# Altium PCB PCB5.PcbDoc (continued)
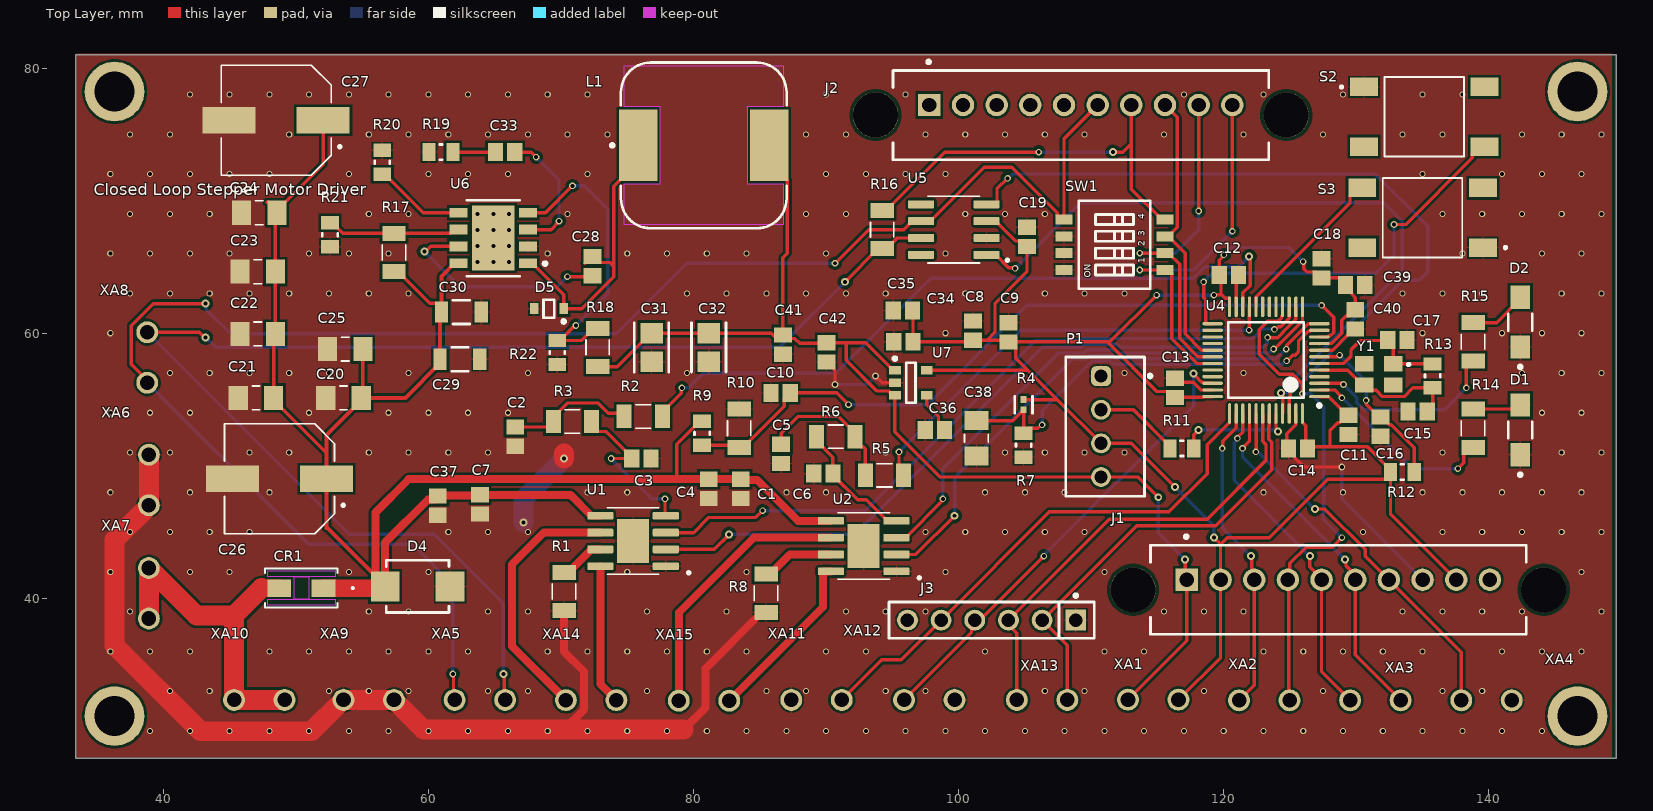
[diagram p0: Top Layer view]
## Part data (continued)
R18: "Fixed Resistor, Thin Film, 0.25W, 8000ohm, 200V, 0.1% +/-Tol, 25ppm/Cel, Surface Mount, 1206", Manufacturer="Vishay BCcomponents", Max Operating Temperature=125°C, Min Operating Temperature=-55°C, Package Shape=Rectangular, Rated Power Dissipation (P)=250mW, Rated Temperature=70°C, Resistance=8kR, Resistor Type="FIXED RESISTOR", Temperature Coefficient=25ppm/°C, Tolerance=0.1%, Working Voltage=200V, Category="Chip SMD Resistors", ComponentLink1Description=https://datasheet.ciiva.com:443/pdfs/VipMasterIC/IC/VISH/VISH-S-A0002473671/VISH-S-A0002473671-1.pdf?src-supplier=IHS+Markit, ComponentLink1URL=https://datasheet.ciiva.com:443/pdfs/VipMasterIC/IC/VISH/VISH-S-A0002473671/VISH-S-A0002473671-1.pdf?src-supplier=IHS+Markit, ComponentLink2Description=https://datasheet.ciiva.com/2606/mc-pre-2606068.pdf?src-supplier=Digikey, ComponentLink2URL=https://datasheet.ciiva.com/2606/mc-pre-2606068.pdf?src-supplier=Digikey, JESD-609 Code=e3, Manufacturer Part Number=MCA12060D8001BP500, Mount="Surface Mount", Number of Pins=2, Packaging="Tape and Reel", Pricing 1="5000=0.16835 (USD)", Reach SVHC Compliant=Yes, RoHS=Yes, RoHS Compliant=Yes, Size Code=1206, Supplier 1=Digikey, Technology="THIN FILM", Terminal Finish=Nickel, Termination=Wraparound
R19: "Fixed Resistor, Thin Film, 0.25W, 3000ohm, 200V, 0.1% +/-Tol, 25ppm/Cel, Surface Mount, 1206", Manufacturer="Vishay Dale", Max Operating Temperature=125°C, Min Operating Temperature=-55°C, Package Height=0.55mm, Package Length=3.2mm, Package Style=SMTMeter, Package Width=1.6mm, Rated Power Dissipation (P)=250mW, Rated Temperature=70°C, Resistance=3kR, Resistor Type="FIXED RESISTOR", Temperature Coefficient=25ppm/°C, Tolerance=0.1%, Working Voltage=200V, Category="Chip SMD Resistors", ComponentLink1Description=https://datasheet.ciiva.com:443/pdfs/VipMasterIC/IC/VISH/VISH-S-A0002290253/VISH-S-A0002290253-1.pdf?src-supplier=IHS+Markit, ComponentLink1URL=https://datasheet.ciiva.com:443/pdfs/VipMasterIC/IC/VISH/VISH-S-A0002290253/VISH-S-A0002290253-1.pdf?src-supplier=IHS+Markit, ComponentLink2Description=http://www.mouser.com/ds/2/427/tnpw_e3-64594.pdf?src-supplier=Mouser, ComponentLink2URL=http://www.mouser.com/ds/2/427/tnpw_e3-64594.pdf?src-supplier=Mouser, ComponentLink3Description=http://www.vishay.com/docs/28758/tnpw_e3.pdf?src-supplier=Avnet, ComponentLink3URL=http://www.vishay.com/docs/28758/tnpw_e3.pdf?src-supplier=Avnet, ComponentLink4Description=http://www.vishay.com/docs/28758/tnpw_e3.pdf?src-supplier=Digikey, ComponentLink4URL=http://www.vishay.com/docs/28758/tnpw_e3.pdf?src-supplier=Digikey, Construction=Chip, Manufacturer Part Number=TNPW12063K00BEEA, Mount="Surface Mount", Number of Pins=2, Packaging="Tape and Reel", Pricing 1="1=0.64, 10=0.458, 50=0.351, 100=0.311, 1000=0.202, 10000=0.186 (USD)", Reach SVHC Compliant=Yes, Reference Standard=AEC-Q200, RoHS=Yes, RoHS Compliant=Yes, Size Code=1206, Stock 1=8904, Supplier 1=Mouser, Technology="THIN FILM", Terminal Finish=Nickel, Termination=Wraparound
R20: library part CMP-1659-00011-4, "Chip Resistor, 47 KOhm, +/- 1%, 0.125 W, -55 to 155 degC, 0805 (2012 Metric), RoHS, Tape and Reel", Manufacturer=Yageo, Max Operating Temperature="155 degC", Min Operating Temperature="-55 degC", Package Quantity=200, Resistance="47 K", Voltage Rating="150 V", ComponentLink1Description="Manufacturer URL", ComponentLink1URL=http://www.yageo.com/, ComponentLink2Description=Datasheet, ComponentLink2URL=http://www.yageo.com/documents/recent/PYu-RC_Group_51_RoHS_L_04.pdf, DatasheetVersion="Rev. 4, 02/2016", Height="0.5 mm", Length="2 mm", Mount="Surface Mount", Mounting Technology="Surface Mount", PackageDescription="2-Pin Surface Mounted Device, Body 2 x 1.25 mm", PackageReference=0805, Packaging="Tape and Reel", Pins=2, REACH SVHC="No SVHC", RoHSCompliant=true
S2 S3: "6 x 6 mm, 4.3~9.5 mm Actuator Height, 100~260 gf, Surface Mount, SPST, Tactile Switch", Package=None, Availability="In Stock", Check_prices=https://www.snapeda.com/parts/TS04-66-55-BK-100-SMT/CUI+Devices/view-part/?ref=eda, CUI_purchase_URL=https://www.cuidevices.com/product/switches/tactile-switches/ts04-series?utm_source=snapeda.com&utm_medium=referral&utm_campaign=snapedaBOM, MF="CUI Devices", MP=TS04-66-55-BK-100-SMT, Price=None, Purchase-URL=https://pricing.snapeda.com/search/part/TS04-66-55-BK-100-SMT/?ref=eda, SnapEDA_Link=https://www.snapeda.com/parts/TS04-66-55-BK-100-SMT/CUI+Devices/view-part/?ref=snap
SW1: "Switch DIP ON OFF SPST 4 Recessed Slide 0.025A 24VDC Gull Wing 1000Cycles 1.27mm SMD T/R", Package=None, Availability="In Stock", Check_prices=https://www.snapeda.com/parts/DSHP04TSGER/GTE/view-part/?ref=eda, MF="KINGTEK INDUSTRIAL", MP=DSHP04TSGER, Price=None, SnapEDA_Link=https://www.snapeda.com/parts/DSHP04TSGER/GTE/view-part/?ref=snap
U1 U2: "PWM Chopper Type DC Brushed Motor Driver"
U4: library part CMP-0237-00250-3, "ARM Cortex-M3 32-bit MCU, 128 KB Flash, 20 KB Internal RAM, 37 I/Os, 48-pin LQFP, -40 to 85 degC, Tray", I/Os (High Current)=37, Operating Frequency(F) (Processor speed) (MHz)=72, Supply Voltage(Vcc) min (V)=2, A/D Converter="2x12-bit (10 Channel)", ComponentLink1Description="Manufacturer URL", ComponentLink1URL=http://www.st.com/web/en/home.html, ComponentLink2Description=Datasheet, ComponentLink2URL=http://www.st.com/st-web-ui/static/active/en/resource/technical/document/datasheet/CD00161566.pdf, ComponentLink3Description="Package Specification", ComponentLink3URL=http://www.st.com/st-web-ui/static/active/en/resource/technical/document/datasheet/DM00058181.pdf, Core="ARM Cortex-M3", DatasheetVersion="Rev. 16", FLASH Size (Prog) (kB)=128, Internal RAM Size (kB)=20, Mounting Technology="Surface Mount", PackageDescription="48-Pin Low Profile Quad Flat Package, 7 x 7 mm Body, 0.5 mm Pitch", PackageReference=LQFP48, PackageVersion="Rev. 6, 06/2013", Packing=Tray, PartNumber=STM32F103CBT6
U5: Manufacturer="Texas Instruments", Manufacturer Part Number=SN65HVD232DR, Operating Temperature="-40°C ~ 85°C", Package / Case="8-SOIC (0.154\", 3.90mm Width)", Supplier Device Package=8-SOIC, Supplier Part Number 1=296-26344-2-ND, Voltage - Supply="3 V ~ 3.6 V", Category="Integrated Circuits (ICs)", ComponentLink1Description=http://www.ti.com/lit/ds/symlink/sn65hvd230.pdf, ComponentLink1URL=http://www.ti.com/lit/ds/symlink/sn65hvd230.pdf, Data Rate=1Mbps, Duplex=Half, Mounting Type="Surface Mount", Number of Drivers/Receivers=1/1, Packaging="Tape & Reel (TR)", Part Status=Active, Pricing 1="2500=0.84375 (USD)", Pricing 2="1=2.05, 10=1.842, 100=1.4809, 500=1.21668, 1000=1.00811 (USD)", Protocol=CAN, RoHS="RoHS Compliant", Stock=5000, Supplier 1=Digi-Key, Supplier 2=Digi-Key, Supplier Part Number 2=296-26344-1-ND, Type=Transceiver
U6: library part CMP-08938-000001-1, "IC REG BUCK ADJ 3A 8HTSOP-J", Manufacturer=Rohm, Max Junction Temp=+150°C, Max Power Dissipation=3.76W, Max Supply Voltage=76V, Min Supply Voltage=12V, Nominal Supply Current=1.5mA, Output Current=3A, Output Voltage=1V, Package=HTSOP-J8, Switching Frequency=50-750kHz, Temperature="-40°C to +85°C", Temperature Range High=+85°C, Temperature Range Low=-40°C, Automotive=No, Category=IC, ComponentLink2Description=Datasheet, ComponentLink2URL=https://www.rohm.com/datasheet/BD9G341AEFJ/bd9g341aefj-e, Device Class L1="Integrated Circuits (ICs)", Device Class L2="Power Management ICs", Device Class L3="Voltage Regulators - Switching", Digikey Description="IC REG BUCK ADJ 3A 8HTSOP-J", Footprint Url=https://d1d2qsbl8m0m72.cloudfront.net/en/techdata_basic/ic/package/htsop-j8_1-e.pdf, Height=1mm, Ipc Land Pattern Name=SOIC127P600X100-8, Lead Free=Yes, Manufacturer Part Number=BD9G341AEFJ-E2, Number Of Outputs=1, Octopart=https://octopart.com/bd9g341aefj-e2-rohm-61817816, Output Type=Fixed, RoHS=TRUE, Standoff Height=0mm, Switching Topology=Buck
U7: library part CMP-0062-02136-2, "Micropower 250 mA Low-Noise Ultra Low-Dropout Regulator, 5-pin SOT-23, Pb-Free", Manufacturer="National Semiconductor", PackageTopMarking=LFEA*XTT, PowerWise=N, ComponentLink1Description="LP2992 Datasheet", ComponentLink1URL=http://www.national.com/ds/LP/LP2992.pdf, ComponentLink2Description="LP2992 Web Page", ComponentLink2URL=http://www.national.com/pf/LP/LP2992.html, ComponentLink3Description="MF05A Package Page", ComponentLink3URL=http://www.national.com/packaging/folders/mf05a.html, CompType="LDO IC", DatasheetVersion=May-2005, PackageDescription="Molded SOT-23, .115 x .063 x .040 in Body, 5 Lead, .0375 in Pitch", PackageReference=MF05A, PackageVersion="revD, Aug-2008", PinCount=5, RevisionNote="Component URLs added", RoHS=Y
XA1 XA2 XA3 XA4 XA5 XA6 XA7 XA8 XA9 XA10 XA11 XA12 XA13 XA14 XA15: "2 Position Wire to Board Terminal Block Horizontal with Board 0.150 _3.81mm_ Through Hole", Package=None, Availability=Unavailable, MF="Phoenix Contact", MP="MKDS 1/ 2-3.81", Price=None, SnapEDA_Link=https://www.snapeda.com/parts/MKDS%201/%202-3.81/Phoenix%20Contact/view-part/114562/?ref=snap
Y1: library part CMP-03913-116876513-1, "830069944 WE-XTAL Quartz Crystal", Frequency=12MHz, Max Operating Temperature=85°C, Min Operating Temperature=-40°C, Height=800µm, Length=3.2mm, NexarPartId=116876513, Width=2.5mm

## Free pads (board coordinates)
  round 4.5 hole 3: ""(36.322,31.115) ""(36.322,78.232) ""(146.685,31.115) ""(146.685,78.232)

## Via types
v1: diameter 0.46, hole 0.3, Top Layer to Bottom Layer, tented top, 307 vias
v2: diameter 0.5, hole 0.3, Top Layer to Bottom Layer, tented top, 52 vias
v3: diameter 0.6, hole 0.3, Top Layer to Bottom Layer, tented top, 35 vias

## Nets (pads, with @x,y where several pads share a name; then routed paths per layer and width w, separated by ;. In a path a pad name is that pad's centre, name@x,y a point inside that pad or via, vN(x,y) a via of type N, cw(c..) or ccw(c..) an arc to the next point about the centre after c; other vN are vias at no path point)
AGND: C1.1 C2.1 C3.1 C4.1 C5.1 C6.1 C7.1 C8.1 C9.1 C10.1 C11.1 C12.1 C13.1 C14.1 C15.1 C16.1 C17.1 C18.1 C19.1 C20.2 C21.2 C22.2 C23.2 C24.2 C25.2 C26.2 C27.2 C29.1 C30.1 C31.2 C32.2 C34.1 C35.1 C36.1 C37.1 C38.1 C39.1 C40.1 C41.1 C42.1 D1.1 D2.1 D4.1 D5.2 J1.8 J2.4 J2.5 J3.1 J3.6 P1.1 R1.2 R7.1 R8.2 R10.2 R19.1 R20.1 R21.1 R22.1 S2.1 S3.1 SW1.1P2 SW1.2P2 SW1.3P2 U1.1 U1.9 U2.1 U2.9 U4.8 U4.23 U4.35 U4.47 U5.2 U6.2 U7.2 XA4.2 XA6.1 XA6.2 XA9.1 XA9.2 XA11.1 XA12.2 | length 125.9
  Top Layer w0.254: C42.1 90.143,57.822 90.591,57.374 90.591,57.274 90.678,57.187 v2(90.678,56.134) ; v2(93.726,56.769) 94.234,56.261 U7.2 ; J2.4@105.41,77.089 J2.4 ; C13.1 116.643,56.294 117.699,56.294 118.273,55.72 119.163,55.72 U4.35 ; U4.23 120.942,61.995 120.942,63.702 C12.1@121.248,64.008 ; U4.47 125.438,53.941 125.438,53.101 124.751,52.414 124.751,51.335 125.329,50.757 125.329,50.637 126.055,49.911 v2(128.905,49.911) ; U4.8 127.217,58.72 128.225,58.72 129.373,59.868 129.373,59.877 129.821,60.325 C40.1
  Top Layer w0.6: 70.231,30.099 71.751,31.619 71.751,34.451 70.231,35.971 R1.2 ; 79.248,30.099 80.899,31.75 80.899,34.689 85.151,38.941 R8.2
  Top Layer w1.5: XA6.2 XA6.1 38.912,46.984 36.322,44.393 36.322,36.449 42.799,29.972 51.19,29.972 53.553,32.335 XA9.1 XA9.2 59.639,30.099 70.231,30.099 79.248,30.099 ; v3(70.231,50.546) 70.231,50.927
  Bottom Layer w0.254: v2(90.678,56.134) 93.091,56.134 v2(93.726,56.769) ; v2(128.905,49.911) 128.905,47.498 J1.8
  Bottom Layer w1.5: v3(67.183,45.72) 67.183,47.498 v3(70.231,50.546)
  other v1: 39,30 42,30 45,30 48,30 51,30 54,30 57,30 60,30 63,30 66,30 69,30 72,30 75,30 78,30 81,30 84,30 87,30 90,30 93,30 96,30 99,30 102,30 105,30 108,30 111,30 114,30 117,30 120,30 123,30 126,30 129,30 132,30 135,30 138,30 141,30 144,30 40.5,33 43.5,33 52.5,33 55.5,33 58.5,33 64.5,33 67.5,33 76.5,33 85.5,33 88.5,33 94.5,33 97.5,33 106.5,33 109.5,33 118.5,33 127.5,33 136.5,33 139.5,33 36,36 39,36 42,36 48,36 51,36 54,36 57,36 60,36 63,36 69,36 72,36 75,36 78,36 81,36 84,36 90,36 93,36 102,36 111,36 114,36 123,36 126,36 129,36 132,36 135,36 141,36 144,36 147,36 37.5,39 55.5,39 58.5,39 64.5,39 67.5,39 76.5,39 82.5,39 91.5,39 94.5,39 97.5,39 115.5,39 118.5,39 121.5,39 133.5,39 136.5,39 139.5,39 142.5,39 148.5,39 36,42 42,42 45,42 54,42 60,42 75,42 84,42 99,42 111,42 147,42 37.5,45 40.5,45 43.5,45 46.5,45 61.5,45 64.5,45 67.5,45 97.5,45 100.5,45 103.5,45 106.5,45 109.5,45 130.5,45 136.5,45 139.5,45 142.5,45 145.5,45 148.5,45 36,48 42,48 48,48 72,48 75,48 87,48 90,48 102,48 105,48 108,48 123,48 129,48 135,48 138,48 141,48 144,48 147,48 37.5,51 40.5,51 46.5,51 49.5,51 55.5,51 58.5,51 61.5,51 64.5,51 94.5,51 103.5,51 106.5,51 109.5,51 112.5,51 136.5,51 145.5,51 148.5,51 36,54 39,54 42,54 51,54 57,54 60,54 63,54 66,54 144,54 147,54 40.5,57 43.5,57 46.5,57 49.5,57 52.5,57 58.5,57 67.5,57 79.5,57 112.5,57 121.5,57 142.5,57 145.5,57 148.5,57 36,60 99,60 135,60 141,60 144,60 147,60 37.5,63 40.5,63 43.5,63 46.5,63 49.5,63 52.5,63 55.5,63 58.5,63 79.5,63 82.5,63 85.5,63 88.5,63 91.5,63 94.5,63 100.5,63 106.5,63 109.5,63 112.5,63 133.5,63 136.5,63 139.5,63 145.5,63 148.5,63 36,66 39,66 42,66 45,66 51,66 54,66 57,66 69,66 75,66 78,66 81,66 84,66 90,66 99,66 138,66 144,66 147,66 37.5,69 40.5,69 43.5,69 55.5,69 58.5,69 70.5,69 88.5,69 91.5,69 100.5,69 103.5,69 106.5,69 136.5,69 139.5,69 142.5,69 145.5,69 148.5,69 36,72 39,72 42,72 45,72 48,72 54,72 60,72 63,72 66,72 72,72 90,72 93,72 96,72 99,72 135,72 141,72 144,72 147,72 37.5,75 40.5,75 49.5,75 55.5,75 58.5,75 61.5,75 64.5,75 67.5,75 70.5,75 73.5,75 88.5,75 91.5,75 97.5,75 100.5,75 103.5,75 106.5,75 109.5,75 115.5,75 121.5,75 127.5,75 133.5,75 136.5,75 142.5,75 145.5,75 148.5,75 42,78 45,78 48,78 51,78 54,78 57,78 60,78 63,78 66,78 69,78 72,78 90,78 96,78 117,78 123,78 129,78 135,78 138,78
CAN_H: R16.1 U5.7 XA5.2 XA8.2 | length 105.1
  Top Layer w0.254: XA8.2 42.706,60.07 43.086,59.69 v3(43.18,59.69) ; v3(65.659,34.29) 65.722,34.227 65.722,32.398 XA5.2 ; v3@91.567,63.881 v3(91.44,63.881) 91.44,63.899 93.914,66.373 R16.1 94.554,66.373 95.364,67.183 U5.7
  Bottom Layer w0.254: XA8.2 54.025,44.831 60.452,44.831 65.659,39.624 v3(65.659,34.29) ; v3(43.18,59.69) 43.942,58.928 86.487,58.928 v3(91.44,63.881)
CAN_L: J2.6 SW1.4P2 U5.6 XA5.1 XA8.1 | length 131.8
  Top Layer w0.254: XA8.1 38.785,56.465 37.579,57.671 37.579,60.57 39.239,62.23 v3(43.18,62.23) ; v2(61.849,34.29) 61.896,34.243 61.896,32.414 XA5.1 ; v2(90.678,65.278) 93.218,67.818 95.848,67.818 96.483,68.453 U5.6 97.853,68.453 101.917,72.517 104.013,72.517 107.442,69.088 107.442,68.833 107.695,68.58 SW1.4P2 107.95,74.676 J2.6
  Bottom Layer w0.254: XA8.1 50.977,44.069 58.801,44.069 61.849,41.021 v2(61.849,34.29) ; v3(43.18,62.23) 43.246,62.164 43.246,61.783 45.081,59.948 74.172,59.948 79.502,65.278 v2(90.678,65.278)
NetC2_2: C2.2 R2.2 R3.1 | length 10
  Top Layer w0.254: C2.2 69.003,52.922 R3.1 69.421,53.66 70.498,54.737 72.784,54.737 73.55,53.971 74.317,53.971 74.755,53.533 R2.2@74.755,53.213
NetC5_2: C5.2 R5.2 R6.1 | length 11.1
  Top Layer w0.254: C5.2 86.614,52.451 87.884,53.721 90.932,53.721 91.698,52.955 91.733,52.955 92.171,52.517 92.171,51.877 92.609,51.439 92.815,51.439 92.964,51.29 R5.2
NetC10_2: C10.2 R9.2 R10.1 U4.10 | length 55.9
  Top Layer w0.254: R9.2 83.208,51.551 83.219,51.562 R10.1@83.394,51.387 ; R10.1 83.759,51.387 86.854,54.482 86.854,55.051 C10.2 90.805,55.499 v2(91.694,54.61) ; U4.10@127.213,59.716 U4.10 127.861,59.718 127.939,59.796 128.04,59.796 128.287,60.043 128.287,61.197 v2(127.381,62.103)
  Bottom Layer w0.254: v2(91.694,54.61) 97.663,54.61 105.156,62.103 v2(127.381,62.103)
NetC15_2: C15.2 R13.2 U4.5 Y1.3 | length 11.6
  Top Layer w0.254: U4.5 129.352,57.218 130.474,56.096 Y1.3 131,55.695 131.503,55.695 131.974,55.224 133.622,55.224 134.278,55.88 R13.2 135.763,54.52 C15.2
NetC16_2: C16.2 R12.1 U4.7 | length 12.9
  Top Layer w0.254: U4.7 128.549,58.218 128.68,58.349 v2(128.747,58.349) ; v2(130.748,54.929) 130.73,54.911 130.73,54.68 131.726,53.684 C16.2 131.926,53.684 132.504,53.106 132.624,53.106 134.377,51.353 R12.1
  Bottom Layer w0.254: v2(128.747,58.349) 128.747,58.324 130.748,56.323 v2(130.748,54.929)
NetC17_2: C17.2 R13.1 U4.6 Y1.1 | length 11.1
  Top Layer w0.254: U4.6 129.058,57.718 129.602,58.263 129.602,58.736 130.319,59.453 132.326,59.453 C17.2 132.799,59.07 Y1.1 135.747,57.696 R13.1
NetC28_1: C28.1 D5.1 L1.1 U6.1 | length 22.9
  Top Layer w0.254: U6.1 67.822,65.278 70.203,62.897 D5.1 71.573,61.849 73.989,64.264 73.989,65.024 ; C28.1@71.782,65.278 72.29,65.786 C28.1 72.838,65.338 73.675,65.338 73.989,65.024 ; L1.1 75.822,72.918 73.989,71.085 73.989,65.024
NetC28_2: C28.2 U6.7 | length 16.9
  Top Layer w0.254: v3(59.69,66.167) 59.784,66.167 60.165,66.548 U6.7 ; v2(70.485,64.262) 72.316,64.262 C28.2
  Bottom Layer w0.254: v3(59.69,66.167) 62.357,63.5 69.723,63.5 v2(70.485,64.262)
NetC33_1: C33.1 R19.2 | length 3.2
  Top Layer w0.254: R19.2 C33.1
NetC33_2: C33.2 U6.3 | length 9.9
  Top Layer w0.254: C33.2 67.751,73.66 v2(68.132,73.279) ; U6.3 69.275,67.818 69.85,68.393 v2(69.85,68.453)
  Bottom Layer w0.254: v2(68.132,73.279) 69.85,71.561 v2(69.85,68.453)
NetC36_2: C36.2 U7.4 | length 3.7
  Top Layer w0.254: U7.4 97.593,54.605 98.485,53.713 98.485,53.153 C36.2 C36.2@99.281,53.053
NetC38_2: C38.2 R4.1 R7.2 U4.11 | length 31.5
  Top Layer w0.254: C38.2 104.098,53.406 R4.1@104.902,54.21 ; R7.2@104.902,52.578 R4.1@104.902,54.21 ; R4.1 R4.1@104.902,54.21 ; R7.2@105.029,52.578 105.275,52.824 105.97,52.824 106.232,53.086 v2(106.299,53.086) ; v2(124.741,57.918) 124.795,57.918 125.214,58.338 125.394,58.338 125.639,58.583 125.639,59.389 126.39,60.14 126.491,60.14 U4.11@126.567,60.216
  Bottom Layer w0.254: v2(106.299,53.086) 106.299,54.143 109.896,57.74 110.056,57.9 111.432,57.9 111.592,57.74 111.676,57.656 124.412,57.656 124.674,57.918 v2(124.741,57.918)
NetD1_2: D1.2 R14.2 | length 4.2
  Top Layer w0.254: R14.2 D1.2@142.572,54.277 ; D1.2@142.699,54.277 D1.2@143.002,54.58
NetD2_2: D2.2 R15.2 | length 4.4
  Top Layer w0.254: R15.2 140.586,60.802 142.367,62.583 D2.2
NetJ1_3: J1.3 U4.38 XA2.1 | length 23.5
  Top Layer w0.254: v2(119.888,51.308) 119.935,51.355 119.935,51.866 120.938,52.869 120.938,53.941 U4.38 ; XA2.1 122.301,33.446 J1.3 122.113,41.59 122.113,43.114 v3(122.047,43.18)
  Bottom Layer w0.254: v2(119.888,51.308) 119.888,45.339 v3(122.047,43.18)
NetJ1_4: J1.4 U4.16 XA2.2 | length 36.7
  Top Layer w0.254: U4.16@124.438,61.345 124.362,61.269 124.362,61.168 124.115,60.921 123.334,60.921 122.686,60.273 122.686,58.416 124.204,56.898 125.223,56.898 125.924,56.198 v2(125.924,55.432) ; XA2.2 124.904,32.366 124.904,41.339 J1.4 124.977,41.538 124.977,42.628 126.21,43.861 128.189,43.861 v2(128.905,44.577)
  Bottom Layer w0.254: v2(125.924,55.432) 125.937,55.419 126.555,55.419 127.554,54.42 127.554,46.454 127.508,46.408 127.508,45.974 v2(128.905,44.577)
NetJ1_5: J1.5 U4.39 XA3.1 | length 25.5
  Top Layer w0.254: v2(121.031,52.07) 121.031,52.137 121.44,52.545 U4.39 ; v3(126.492,43.18) 126.492,42.379 127.381,41.49 J1.5 127.381,34.461 XA3.1
  Bottom Layer w0.254: v2(121.031,52.07) 121.031,52.003 120.781,51.753 120.781,48.891 v3(126.492,43.18)
NetJ1_6: J1.6 U4.40 XA3.2 | length 26.8
  Top Layer w0.254: v2(121.412,51.308) 121.942,51.838 121.942,53.941 U4.40 ; v3(129.159,42.926) 129.225,42.86 129.225,42.44 129.921,41.744 J1.6 129.921,35.731 XA3.2
  Bottom Layer w0.254: v2(121.412,51.308) 121.412,50.673 v3(129.159,42.926)
NetJ1_7: J1.7 U4.41 XA4.1 | length 28.6
  Top Layer w0.254: v2(122.428,51.054) 122.44,51.066 U4.41 ; v3(126.873,46.736) 127.638,46.736 130.676,43.698 130.676,43.187 J1.7 137.921,35.942 XA4.1
  Bottom Layer w0.254: v2(122.428,51.054) 122.475,51.007 122.602,51.007 v3(126.873,46.736)
NetJ2_7: J2.7 R16.2 SW1.4P1 | length 30.7
  Top Layer w0.254: R16.2 94.554,69.263 98.951,73.66 v2(106.045,73.66) ; v3(111.633,73.66) 112.395,73.66 113.03,74.295 ; J2.7 113.03,74.295 ; SW1.4P1 115.315,68.58 113.03,70.865 113.03,74.295
  Bottom Layer w0.254: v2(106.045,73.66) v3(111.633,73.66)
NetJ2_8: J2.8 SW1.3P1 U4.29 | length 21.3
  Top Layer w0.254: SW1.3P1 SW1.3P1@115.825,67.31 ; J2.8 116.502,76.284 116.502,67.987 SW1.3P1@115.825,67.31 ; U4.29 118.32,58.718 117.094,59.944 117.094,66.041 SW1.3P1@115.825,67.31
NetJ2_9: J2.9 SW1.2P1 U4.30 | length 25.9
  Top Layer w0.254: v2(113.665,66.04) SW1.2P1 115.825,66.04 116.67,65.195 116.67,59.606 118.056,58.22 U4.30@118.517,58.22 ; v2(118.11,69.215) J2.9
  Bottom Layer w0.254: v2(113.665,66.04) 116.332,66.04 118.11,67.818 v2(118.11,69.215)
NetJ2_10: J2.10 SW1.1P1 U4.31 | length 28.4
  Top Layer w0.254: v2(113.665,64.77) SW1.1P1 115.825,64.77 116.078,64.517 116.078,59.598 117.958,57.718 U4.31@118.517,57.718 ; v2(120.65,67.691) J2.10
  Bottom Layer w0.254: v2(113.665,64.77) 117.729,64.77 v2(120.65,67.691)
NetJ3_2: J3.2 U4.43 XA13.2 | length 33.2
  Top Layer w0.254: XA13.2 108.203,36.45 J3.2 113.432,45.487 119.401,45.487 123.614,49.7 123.614,51.777 123.398,51.993 123.398,52.987 123.438,53.027 123.438,53.941 U4.43
NetJ3_3: J3.3 U4.42 XA13.1 | length 34.3
  Top Layer w0.254: XA13.1 104.393,37.363 103.759,37.998 J3.3 111.379,45.974 118.745,45.974 123.19,50.419 123.19,51.601 122.94,51.851 U4.42
NetJ3_4: J3.4 U4.34 XA12.1 | length 35.7
  Top Layer w0.254: XA12.1 100.967,37.417 100.967,38.102 J3.4 101.575,38.354 101.955,38.734 101.98,38.734 v2(106.426,43.18) ; v3(117.729,56.975) 117.729,56.924 118.093,56.561 118.093,56.543 118.34,56.296 118.441,56.296 118.519,56.218 U4.34
  Bottom Layer w0.254: v2(106.426,43.18) 106.426,43.232 117.729,54.535 v3(117.729,56.975)
NetJ3_5: J3.5 U4.37 XA11.2 | length 39.9
  Top Layer w0.254: XA11.2 94.203,35.352 95.677,35.352 J3.5 106.85,46.525 115.867,46.525 118.745,49.403 118.745,51.603 120.44,53.297 U4.37
NetP1_2: P1.2 R11.2 | length 6.5
  Top Layer w0.254: P1.2 113.194,54.229 115.94,51.483 R11.2
NetR1_1: R1.1 U1.7 | length 3.5
  Top Layer w0.6: R1.1 70.496,42.223 70.828,42.223 72.293,43.688 U1.7
NetR2_1: R2.1 U4.22 | length 53.7
  Top Layer w0.254: R2.1 77.645,54.041 79.074,55.47 79.074,55.833 v2(79.121,55.88) ; U4.22 121.442,61.995 121.442,63.04 121.993,63.591 121.993,65.468 121.986,65.475 121.986,65.72 v3(121.92,65.786)
  Bottom Layer w0.254: v2(79.121,55.88) 79.629,55.88 80.721,56.972 90.721,56.972 97.884,64.135 117.694,64.135 118.583,65.024 121.158,65.024 v3(121.92,65.786)
NetR5_1: R5.1 U4.21 | length 33.9
  Top Layer w0.254: v2(95.504,51.054) 95.504,49.626 R5.1 ; v2(121.92,60.227) 121.938,60.245 121.938,61.991 U4.21
  Bottom Layer w0.254: v2(95.504,51.054) 104.677,60.227 v2(121.92,60.227)
NetR8_1: R8.1 U2.7 | length 5.5
  Top Layer w0.6: R8.1 85.791,41.831 87.267,43.307 U2.7
NetR11_1: R11.1 U4.44 | length 9
  Top Layer w0.254: R11.1 117.74,52.335 v3(118.11,52.705) ; U4.44 123.942,53.941 123.942,52.809 124.079,52.672 v3(124.079,52.578)
  Bottom Layer w0.254: v3(118.11,52.705) 123.858,52.705 123.985,52.578 v3(124.079,52.578)
NetR17_1: R17.1 R21.2 U6.6 | length 10.1
  Top Layer w0.254: R21.2 52.753,68.326 53.546,67.533 R17.1 61.687,67.533 61.972,67.818 U6.6
NetR18_1: R18.1 R22.2 U6.4 | length 22.6
  Top Layer w0.254: U6.4 68.834,69.088 v2(70.866,71.12) ; v2(71.12,60.579) 71.073,60.532 70.983,60.532 69.898,59.447 R22.2 71.525,59.447 72.451,60.373 R18.1
  Bottom Layer w0.254: v2(70.866,71.12) 71.755,71.12 73.533,69.342 73.533,62.992 v2(71.12,60.579)
NetR20_2: R20.2 U6.5 | length 7
  Top Layer w0.254: R20.2 56.69,71.998 59.6,69.088 U6.5
NetS2_4: S2.4 U4.25 | length 30.7
  Top Layer w0.254: v2(118.491,63.881) 118.491,62.664 118.642,62.513 118.642,60.72 118.644,60.718 U4.25 ; v2(132.842,68.199) 133.731,68.199 138.755,73.223 138.755,73.504 139.328,74.077 S2.4
  Bottom Layer w0.254: v2(118.491,63.881) 118.491,63.884 119.119,64.512 131.476,64.512 132.842,65.878 v2(132.842,68.199)
NetS3_4: S3.4 U4.20 | length 12.5
  Top Layer w0.254: U4.20 122.44,62.746 129.528,69.835 129.528,70.384 130.101,70.957 S3.4
NetU1_2: U1.2 U4.14 | length 56.2
  Top Layer w0.254: U1.2 81.567,43.688 82.677,44.798 v3(82.677,44.831) ; v2(123.317,59.69) 123.359,59.648 124.075,59.648 124.466,60.039 124.466,60.073 125.438,61.045 125.438,61.991 U4.14
  Bottom Layer w0.254: v3(82.677,44.831) 92.202,44.831 106.299,58.928 109.285,58.928 109.369,59.012 109.529,59.172 111.959,59.172 112.119,59.012 112.203,58.928 122.958,58.928 123.27,59.24 123.27,59.643 v2(123.317,59.69)
NetU1_3: U1.3 U4.15 | length 54.6
  Top Layer w0.254: U1.3 80.01,44.958 81.153,46.101 84.709,46.101 v2(85.217,46.609) ; v2(123.825,60.29) 123.892,60.29 124.099,60.497 124.29,60.497 124.938,61.145 124.938,61.991 U4.15
  Bottom Layer w0.254: v2(85.217,46.609) 92.964,46.609 105.791,59.436 109.193,59.436 109.353,59.596 122.181,59.596 122.906,60.321 123.794,60.321 v2(123.825,60.29)
NetU2_2: U2.2 U4.12 | length 40.5
  Top Layer w0.254: U2.2 96.774,43.307 v3(99.695,46.228) ; v2(124.717,58.798) 124.749,58.83 124.749,59.099 126.366,60.716 U4.12@126.567,60.716
  Bottom Layer w0.254: v3(99.695,46.228) 99.695,49.149 108.626,58.08 109.636,58.08 109.72,58.164 109.88,58.324 111.608,58.324 111.768,58.164 111.852,58.08 123.969,58.08 124.687,58.798 v2(124.717,58.798)
NetU2_3: U2.3 U4.13 | length 40.1
  Top Layer w0.254: U2.3 96.002,44.577 98.74,47.315 98.74,47.432 v2(98.806,47.498) ; v2(123.765,58.809) 123.812,58.856 123.883,58.856 125.94,60.913 U4.13
  Bottom Layer w0.254: v2(98.806,47.498) 98.806,49.784 107.526,58.504 109.461,58.504 109.545,58.588 109.705,58.748 111.783,58.748 111.943,58.588 112.027,58.504 123.393,58.504 123.698,58.809 v2(123.765,58.809)
NetU4_45: U4.45 U5.4 | length 56.4
  Top Layer w0.254: U5.4 102.718,69.723 102.891,69.896 102.891,70.887 v2(103.693,71.689) ; v3(124.333,55.499) 124.333,55.405 124.44,55.299 U4.45
  Bottom Layer w0.254: v2(103.693,71.689) 103.76,71.689 104.08,72.009 131.445,72.009 135.382,68.072 135.382,64.643 134.747,64.008 133.513,64.008 128.116,58.611 128.116,58.516 125.098,55.499 v3(124.333,55.499)
NetU4_46: U4.46 U5.1 | length 52.5
  Top Layer w0.254: U5.1 102.793,65.913 103.762,64.944 104.22,64.944 v2(104.267,64.897) ; U4.46 124.94,55.143 125.014,55.217 125.014,56.215 v2(124.968,56.261)
  Bottom Layer w0.254: v2(104.267,64.897) 109.216,69.846 132.087,69.846 133.473,68.46 133.473,64.766 v2(124.968,56.261)
OUT_A+: U1.6 XA14.1 | length 19.6
  Top Layer w0.6: XA14.1 66.294,36.397 66.294,42.545 68.707,44.958 U1.6
OUT_A-: U1.8 XA14.2 | length 10.6
  Top Layer w0.6: U1.8 72.968,33.544 74.182,32.33 XA14.2
OUT_B+: U2.6 XA15.1 | length 20.5
  Top Layer w0.6: XA15.1 78.89,38.914 84.552,44.577 U2.6
OUT_B-: U2.8 XA15.2 | length 13.3
  Top Layer w0.6: XA15.2 89.754,39.331 89.754,42.027 89.764,42.037 U2.8
PC13: R14.1 U4.2 | length 15.2
  Top Layer w0.254: U4.2 128.371,55.718 128.905,55.184 v2(128.905,55.118) ; v2(137.668,49.784) 138.114,50.23 138.114,50.949 138.552,51.387 R14.1
  Bottom Layer w0.254: v2(128.905,55.118) 128.937,55.118 134.271,49.784 v2(137.668,49.784)
PC14: R15.1 U4.3 | length 15.1
  Top Layer w0.254: U4.3 128.881,56.218 128.965,56.134 v2(129.032,56.134) ; v2(138.303,55.88) 138.303,57.474 138.741,57.912 R15.1
  Bottom Layer w0.254: v2(129.032,56.134) 130.03,55.136 130.03,54.755 130.552,54.233 136.656,54.233 v2(138.303,55.88)
VCC: C1.2 C4.2 C7.2 C20.1 C21.1 C22.1 C23.1 C24.1 C25.1 C26.1 C27.1 C29.2 C30.2 C37.2 CR1.1 D4.2 R9.1 R17.2 U1.5 U2.5 U6.8 | length 143.8
  Top Layer w0.254: 47.797,69.871 47.987,69.871 C24.1@48.58,69.278 ; C27.1 52.064,72.762 C24.1@48.58,69.278 ; 52.318,45.3 52.376,45.3 ; 52.318,50.936 48.326,54.928 C21.1 48.326,59.817 C22.1 C23.1 48.453,68.961 C24.1 C24.1@48.58,69.278 ; C20.1@54.93,54.928 C20.1 55.057,55.245 C25.1 ; D4.2 D4.2@56.732,40.944 ; R17.2@57.084,64.643 R17.2 57.724,64.643 60.099,62.268 60.611,62.268 60.984,61.895 C30.2 C30.2@60.881,61.492 ; C29.2@60.881,57.739 C29.2 ; U6.8@61.972,65.278 U6.8 ; 78.74,48.985 78.74,51.621 80.47,53.351 R9.1
  Top Layer w0.3: 52.318,45.3 C26.1 52.318,50.936 52.318,52.316 C20.1@54.93,54.928 ; 52.376,45.3 D4.2@56.007,41.669 ; C20.1 58.26,55.118 C29.2@60.881,57.739 ; C29.2 C30.2@60.881,61.492 ; C30.2@60.984,61.895 60.984,64.29 U6.8@61.972,65.278
  Top Layer w0.6: D4.2 56.007,41.619 56.007,46.482 58.51,48.985 78.74,48.985 C4.2 C1.2 83.61,48.941 84.79,48.941 87.884,45.847 U2.5 ; D4.2@56.732,40.944 56.732,44.206 59.966,47.44 60.431,47.44 C37.2 60.751,47.76 63.836,47.76 C7.2 70.716,47.805 72.293,46.228 U1.5
  Top Layer w1.33: CR1.1 D4.2@56.605,40.767
  Top Layer w1.5: D4.2@56.605,40.767 D4.2
VCC_3V3: C8.2 C9.2 C11.2 C12.2 C13.2 C14.2 C18.2 C19.2 C34.2 C35.2 C39.2 C40.2 J1.2 J1.9 P1.3 R4.2 R12.2 U4.1 U4.9 U4.24 U4.36 U4.48 U5.3 U7.5 XA1.1 | length 158
  Top Layer w0.254: C35.2 96.56,61.682 C34.2 100.976,59.357 C8.2 102.145,59.473 ; U7.5 105.222,57.211 ; U5.3 102.793,68.453 103.533,67.713 104.287,66.959 104.745,66.959 C19.2 105.156,64.643 102.743,62.23 102.743,60.071 102.145,59.473 ; R4.2 107.44,54.989 107.442,54.991 ; v2(114.935,62.865) 111.416,59.346 111.215,59.346 ; v3(116.332,48.387) 113.03,51.689 P1.3 107.442,54.991 ; XA1.1 119.761,35.528 J1.2 119.761,44.069 ; U4.36 118.519,55.218 118.455,55.155 C13.2 115.884,55.603 114.958,55.603 111.215,59.346 ; v3(119.253,44.577) 119.761,44.069 ; v2(119.253,62.865) 119.3,62.912 119.758,62.912 119.798,62.952 ; C12.2 119.671,65.502 120.015,65.846 v2(120.015,65.913) ; C12.2@119.798,64.108 119.798,62.952 ; U4.24 120.44,62.639 120.438,62.641 120.109,62.641 119.798,62.952 ; U4.48 125.94,53.297 126.201,53.036 126.201,51.435 128.016,51.435 ; v2(125.987,65.402) 126.034,65.355 126.034,64.863 126.278,64.62 126.933,64.62 C18.2 128.748,64.172 129.196,63.724 C39.2 129.644,63.179 129.644,62.959 129.921,62.682 C40.2 129.473,61.327 129.253,61.327 128.905,60.979 128.905,60 128.126,59.22 127.217,59.22 U4.9 ; U4.1 U4.1 127.908,55.216 129.313,53.811 128.735,53.233 128.615,53.233 128.016,52.634 128.016,51.435 ; C40.2@129.821,61.394 C40.2@129.921,61.394 ; J1.9 132.577,46.366 R12.2@132.577,49.355 ; 102.145,59.473 103.632,59.473 C9.2 C9.2@103.859,59.346 ; C9.2@103.859,59.346 111.215,59.346 ; C9.2@103.859,59.346 104.307,58.898 104.307,58.126 105.222,57.211 ; 105.222,57.211 107.442,54.991 ; 119.761,44.069 120.269,44.577 123.444,44.577 127.849,48.982 132.204,48.982 R12.2@132.577,49.355 ; 128.016,51.435 130.847,51.435 132.577,49.705 R12.2 R12.2@132.577,49.355
  Bottom Layer w0.254: v2(114.935,62.865) v2(119.253,62.865) ; v3(116.332,48.387) 119.253,45.466 v3(119.253,44.577) ; v2(120.015,65.913) 120.569,66.467 124.922,66.467 v2(125.987,65.402)
VCC_5V: C31.1 C32.1 C41.2 C42.2 J1.1 L1.2 P1.4 R18.2 U7.1 U7.3 XA1.2 | length 89
  Top Layer w0.254: R18.2 74.238,57.483 76.759,60.004 C31.1 C32.1 ; C32.1@81.803,60.654 C32.1 ; L1.2 85.722,72.918 87.079,71.561 87.079,66.026 86.741,65.688 C41.2 87.013,59.599 87.648,59.599 88.012,59.235 90.006,59.235 C42.2 91.525,59.272 ; C41.2@86.323,59.553 85.872,60.004 C32.1 ; U7.1 95.068,57.211 93.007,59.272 91.525,59.272 ; XA1.2 117.221,36.798 J1.1 117.094,41.529 v3(117.094,42.926) ; v3(115.062,47.625) 113.538,49.149 P1.4 98.607,49.149 95.193,52.563 U7.3 95.068,55.311 94.74,55.639 93.84,55.639 91.525,57.954 91.525,59.272
  Bottom Layer w0.254: v3(115.062,47.625) 115.062,44.958 v3(117.094,42.926)
VCC_IN: CR1.2 XA7.1 XA7.2 XA10.1 XA10.2 | length 26.2
  Top Layer w1.33: 47.402,40.767 CR1.2@48.752,40.767
  Top Layer w1.5: XA7.1 XA7.2 42.495,38.703 45.338,38.703 ; 47.402,40.767 45.338,38.703 ; XA10.2 XA10.1 45.338,38.703
VREF_A: C3.2 R3.2 U1.4 | length 12.6
  Top Layer w0.254: R3.2 72.311,53.02 72.749,52.582 73.412,52.582 75.348,50.646 C3.2 v2(73.787,50.546) ; v2(77.851,47.498) 77.851,46.285 U1.4
  Bottom Layer w0.254: v2(73.787,50.546) 76.835,47.498 v2(77.851,47.498)
VREF_B: C6.2 R6.2 U2.4 | length 9.6
  Top Layer w0.254: R6.2 89.281,51.877 90.514,50.644 C6.2 90.514,49.303 92.384,47.433 93.026,47.433 94.612,45.847 U2.4
pads on no net: J1. J1.10 J2. J2.1 J2.2 J2.3 S2.2 S2.3 S3.2 S3.3 U4.4 U4.17 U4.18 U4.19 U4.26 U4.27 U4.28 U4.32 U4.33 U5.5 U5.8 U6.9 Y1.2 Y1.4
copper on no net:
  other v3: 63.697,65.383 64.897,65.383 66.097,65.383 63.697,66.583 64.897,66.583 66.097,66.583 63.697,67.783 64.897,67.783 66.097,67.783 63.697,68.983 64.897,68.983 66.097,68.983

## Polygon pours and split planes (outlines as drawn)
AGND on Bottom Layer "AGND_L02_P000" (solid, remove dead copper, pour order 0): 33.274,27.813 149.479,27.813 149.479,81.28 33.274,81.28
AGND on Top Layer "AGND_L01_P001" (solid, remove dead copper, pour order 1): 33.274,27.813 149.479,27.813 149.479,81.28 33.274,81.28

## Silkscreen, mask and mechanical layers (free items; w line width, h text height)
Top Overlay:
  text "Closed Loop Stepper Motor Driver" at 34.734,70.104 h1.5
Mechanical 13:
  the board outline again, w0.254

## Text inside footprints (layer, text, board x,y; h text height)
SW1: Top Overlay "ON" at 109.958,64.202 h0.5 r90; Top Overlay "2" at 114.046,66.548 h0.5 r90; Top Overlay "3" at 114.046,67.31 h0.5 r90; Top Overlay "4" at 114.046,68.58 h0.5 r90; Top Overlay "1" at 114.046,65.278 h0.5 r90